# KiCad board uMule_board.kicad_pcb
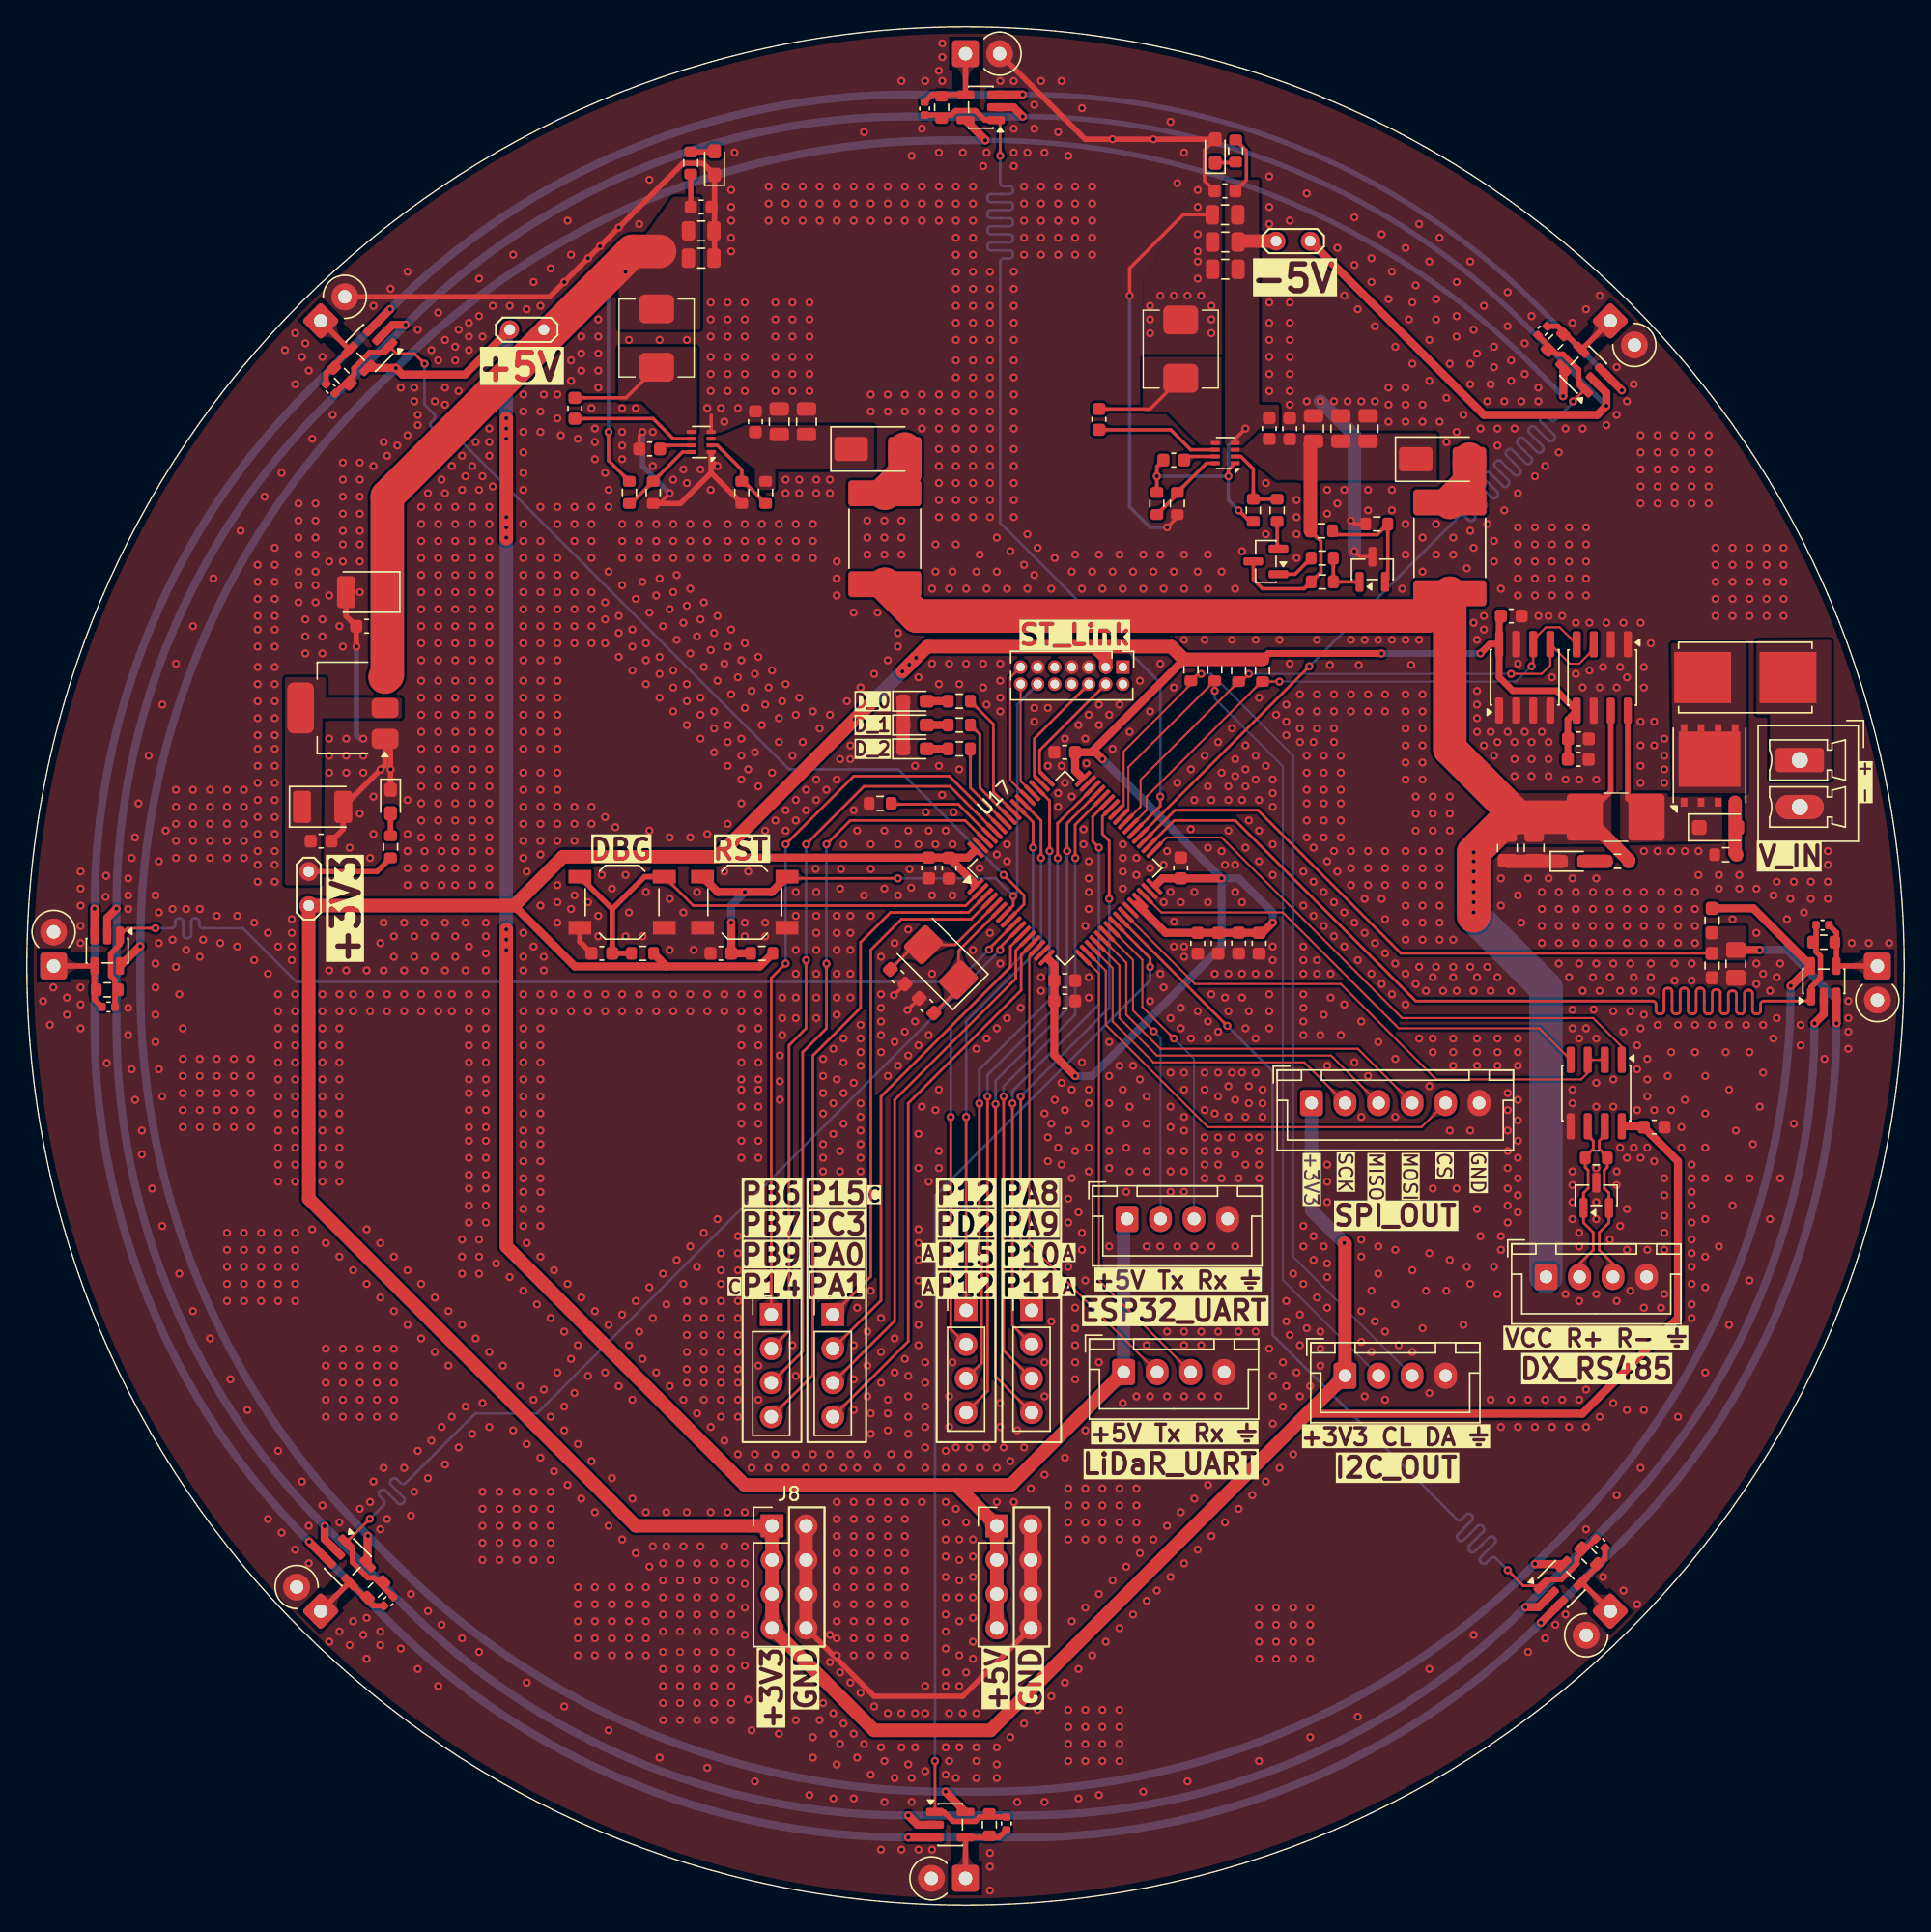
[diagram p0: board, top side]
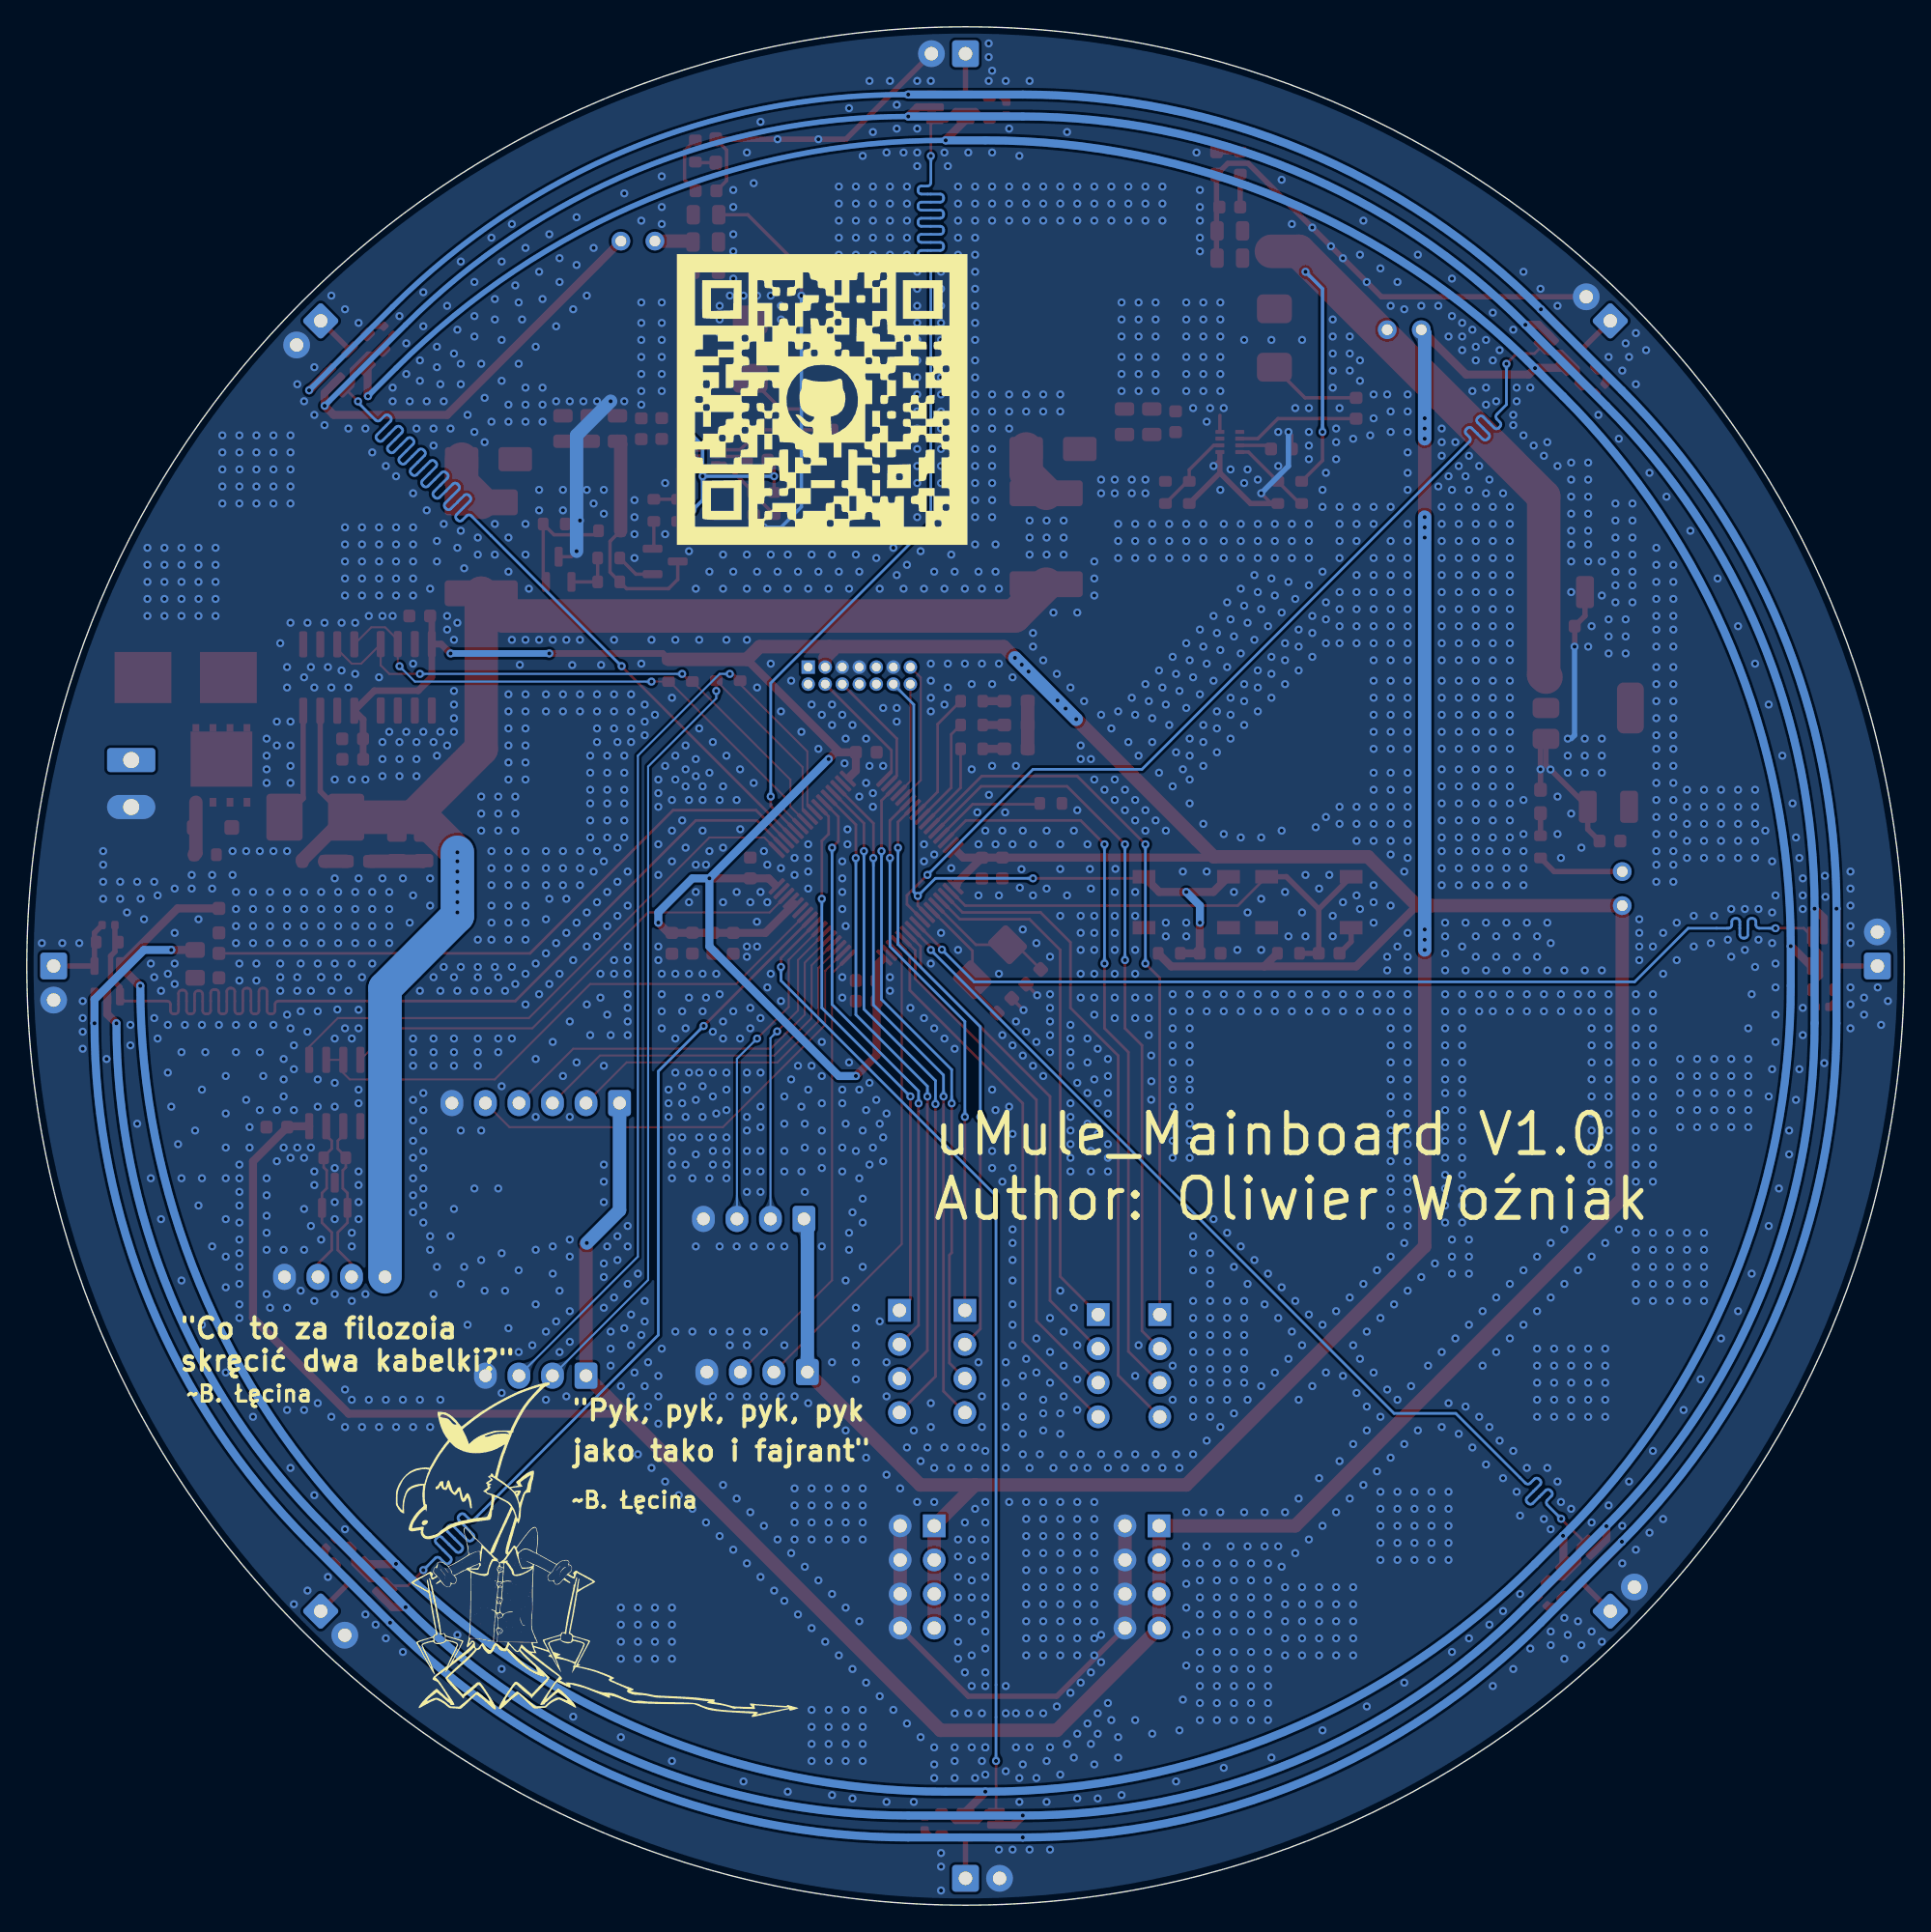
[diagram p1: board, bottom side, seen from below]

Outline 140 x 140 mm; copper layers: Top, Bottom. Coordinates in mm from the lower left corner of the outline.
Outline path: circle c70,70 r70
Stack: Top 0.035mm / dielectric 1.51mm FR4 er 4.5 / Bottom 0.035mm

## Placement (name value [footprint] x y rotation side)
C1  100n  [C_0603_1608Metric]  40.87 111.57 90 top
C2  10u  [C_0805_2012Metric]  56.11 110.57 90 top
C3  10u  [C_0805_2012Metric]  58.14 110.57 90 top
C4  100n  [C_0603_1608Metric]  54.33 110.57 90 top
C5  100n  [C_0603_1608Metric]  50.29 126.57 0 top
C6  22u  [C_0805_2012Metric]  50.29 124.79 0 top
C7  22u  [C_0805_2012Metric]  50.29 122.76 0 top
C8  10u  [C_0805_2012Metric]  112.4 78.8 270 top
C9  10u  [C_0805_2012Metric]  110.41 78.8 270 top
C10  22n  [C_0603_1608Metric]  46.44 108.54 180 top
C11  100u  [CP_EIA-3528-21_Kemet-B]  25.34 97.87 180 top
C12  10u  [C_0603_1608Metric]  25.34 95.33 180 top
C13  10u  [C_0603_1608Metric]  21.94 79.31 0 top
C14  100u  [CP_EIA-3528-21_Kemet-B]  22.06 81.87 0 top
C15  10u  [C_0603_1608Metric]  115.69 85.41 0 top
C16  100n  [C_0603_1608Metric]  115.71 86.93 0 top
C17  100n  [C_0603_1608Metric]  79.95 110.74 90 top
C18  10u  [C_0805_2012Metric]  95.96 110.06 90 top
C19  10u  [C_0805_2012Metric]  100.02 110.06 90 top
C20  10u  [C_0805_2012Metric]  97.99 110.06 90 top
C21  100n  [C_0603_1608Metric]  94.18 110.05 90 top
C22  100n  [C_0603_1608Metric]  92.65 110.06 90 top
C23  100n  [C_0603_1608Metric]  89.35 127.77 0 top
C24  22u  [C_0805_2012Metric]  89.37 121.93 0 top
C25  22u  [C_0805_2012Metric]  89.37 123.96 0 top
C26  22u  [C_0805_2012Metric]  89.35 126 0 top
C27  22n  [C_0603_1608Metric]  85.53 107.71 180 top
C28  4.7u  [C_0603_1608Metric]  67.25 77.31 270 top
C29  100n  [C_0603_1608Metric]  77.4 85.93 180 top
C30  100n  [C_0603_1608Metric]  86.05 77.31 90 top
C31  100n  [C_0603_1608Metric]  77.4 68.91 0 top
C32  100n  [C_0603_1608Metric]  77.4 67.39 0 top
C33  100n  [C_0603_1608Metric]  68.78 77.29 270 top
C34  10n  [C_0603_1608Metric]  87.32 71.69 270 top
C35  1u  [C_0603_1608Metric]  90.37 71.71 270 top
C36  33p  [C_0603_1608Metric]  64.94 69.2 315 top
C37  33p  [C_0603_1608Metric]  67.09 67.04 135 top
C38  100n  [C_0603_1608Metric]  110.7 96.09 0 top
C39  100n  [C_0603_1608Metric]  42.88 70.94 180 top
C40  100n  [C_0603_1608Metric]  51.76 70.94 180 top
C41  2.7p  [C_0402_1005Metric]  66.95 133.91 270 top
C42  2.7p  [C_0402_1005Metric]  113.03 117.35 225 top
C43  2.7p  [C_0402_1005Metric]  133.91 73.05 180 top
C44  2.7p  [C_0402_1005Metric]  117.35 26.97 135 top
C45  2.7p  [C_0402_1005Metric]  73.05 6.09 90 top
C46  2.7p  [C_0402_1005Metric]  26.97 22.65 45 top
C47  2.7p  [C_0402_1005Metric]  6.09 66.95 0 top
C48  2.7p  [C_0402_1005Metric]  22.65 113.03 315 top
C49  1u  [C_0805_2012Metric_Pad1.18x1.45mm_HandSolder]  127.45 70.16 270 top
C50  100n  [C_0603_1608Metric]  121.36 57.99 180 top
C51  100n  [C_0603_1608Metric]  88.84 71.69 270 top
C52  1u  [C_0603_1608Metric]  91.89 71.69 270 top
D1  SS34  [D_SMA]  63.48 108.54 0 top
D2  BZT52B12  [D_SOD-123F]  126.12 80.33 0 top
D3  SS34  [D_SMA]  105.58 107.77 0 top
D4  LED  [LED_0603_1608Metric_Pad1.05x0.95mm_HandSolder]  88.62 130.75 90 top
D5  LED  [LED_0603_1608Metric_Pad1.05x0.95mm_HandSolder]  115.27 77.8 0 top
D6  LED  [LED_0603_1608Metric_Pad1.05x0.95mm_HandSolder]  51.28 129.85 90 top
D7  LED  [LED_0603_1608Metric_Pad1.05x0.95mm_HandSolder]  27.12 82.26 270 top
D8  RED  [LED_0603_1608Metric_Pad1.05x0.95mm_HandSolder]  66.24 86.18 0 top
D9  BLUE  [LED_0603_1608Metric_Pad1.05x0.95mm_HandSolder]  66.24 87.96 0 top
D10  BLUE  [LED_0603_1608Metric_Pad1.05x0.95mm_HandSolder]  66.24 89.74 0 top
D11  SM712_SOT23  [SOT-23]  117.04 52.91 90 top
F1  10A  [Fuseholder_Littelfuse_Nano2_154x]  128.15 91.5 180 top
F2  2A  [Fuse_2920_7451Metric]  63.98 101.85 90 top
F3  2A  [Fuse_2920_7451Metric]  106.12 101.17 90 top
G***  LOGO  [QR_N]  80.68 112.22 180 bottom
G***#2  LOGO  [B_Łecina]  97.48 26.49 180 bottom
J1  12V IN  [PhoenixContact_MCV_1,5_2-G-3.5_1x02_P3.50mm_Vertical]  132.22 85.35 270 top
J2  Dynamixel  [JST_XH_B4B-XH-A_1x04_P2.50mm_Vertical]  113.29 46.83 0 top
J3  Li-Dar_UART  [JST_XH_B4B-XH-A_1x04_P2.50mm_Vertical]  81.79 39.74 0 top
J4  ESP32_UART  [JST_XH_B4B-XH-A_1x04_P2.50mm_Vertical]  82.05 51.15 0 top
J5  Conn_ST_STDC14  [PinHeader_2x07_P1.27mm_Vertical]  81.73 92.28 270 top
J6  I2C  [JST_XH_B4B-XH-A_1x04_P2.50mm_Vertical]  98.3 39.47 0 top
J7  SPI_IMU  [JST_XH_B6B-XH-A_1x06_P2.50mm_Vertical]  95.8 59.79 0 top
J8  Conn_02x04_Odd_Even  [PinHeader_2x04_P2.54mm_Vertical]  55.57 28.27 0 top
J9  Conn_02x04_Odd_Even  [PinHeader_2x04_P2.54mm_Vertical]  72.33 28.27 0 top
J10  Conn_01x04  [PinHeader_1x04_P2.54mm_Vertical]  55.52 44.02 0 top
J11  Conn_01x04  [PinHeader_1x04_P2.54mm_Vertical]  60.11 44.02 0 top
J12  Conn_01x04  [PinHeader_1x04_P2.54mm_Vertical]  70.05 44.34 0 top
J13  Conn_01x04  [PinHeader_1x04_P2.54mm_Vertical]  74.93 44.34 0 top
JP1  Jumper_2_Open  [TestPoint_2Pads_Pitch2.54mm_Drill0.8mm]  38.55 117.43 180 top
JP2  Jumper_2_Open  [TestPoint_2Pads_Pitch2.54mm_Drill0.8mm]  21.03 77.04 270 top
JP3  Jumper_2_Open  [TestPoint_2Pads_Pitch2.54mm_Drill0.8mm]  93.16 124.03 0 top
L1  3.3u  [Inductor_TKD_SPM5030VT]  46.97 116.81 90 top
L2  3.3u  [Inductor_TKD_SPM5030VT]  86.05 115.98 90 top
P1  BPV10NF  [D_T-1_P2.54mm_Vertical_KathodeUp]  70 138 0 top
P2  BPV10NF  [D_T-1_P2.54mm_Vertical_KathodeUp]  118.08 118.08 315 top
P3  BPV10NF  [D_T-1_P2.54mm_Vertical_KathodeUp]  138 70 270 top
P4  BPV10NF  [D_T-1_P2.54mm_Vertical_KathodeUp]  118.08 21.92 225 top
P5  BPV10NF  [D_T-1_P2.54mm_Vertical_KathodeUp]  70 2 180 top
P6  BPV10NF  [D_T-1_P2.54mm_Vertical_KathodeUp]  21.92 21.92 135 top
P7  BPV10NF  [D_T-1_P2.54mm_Vertical_KathodeUp]  2 70 90 top
P8  BPV10NF  [D_T-1_P2.54mm_Vertical_KathodeUp]  21.92 118.08 45 top
Q1  AON6407  [AO_DFN-8-1EP_5.55x5.2mm_P1.27mm_EP4.12x4.6mm]  125.49 84.95 90 top
Q2  S9015  [SOT-23]  92.4 100.15 180 top
R1  2m  [R_Shunt_2512]  118.49 81.09 180 top
R2  270k  [R_0603_1608Metric]  55.09 105.3 270 top
R3  33k  [R_0603_1608Metric]  44.93 105.3 270 top
R4  470k  [R_0603_1608Metric]  53.32 105.3 270 top
R5  6.2k  [R_0603_1608Metric]  46.71 105.3 270 top
R6  10k  [R_0603_1608Metric]  126.69 78.29 180 top
R7  51k  [R_0603_1608Metric]  96.6 98.63 180 top
R8  10k  [R_0603_1608Metric]  96.6 100.41 180 top
R9  62k  [R_0603_1608Metric]  93.24 103.96 90 top
R10  20k  [R_0603_1608Metric]  96.54 102.44 0 top
R11  12k  [R_0603_1608Metric]  91.46 103.96 270 top
R12  10k  [R_0603_1608Metric]  100.67 102.95 180 top
R13  4.7k  [R_0603_1608Metric]  90.15 130.75 270 top
R14  14k  [R_0603_1608Metric]  118.62 77.8 180 top
R15  4.7k  [R_0603_1608Metric]  49.51 129.85 90 top
R16  2.2k  [R_0603_1608Metric]  27.12 78.88 90 top
R17  33k  [R_0603_1608Metric]  85.8 104.47 90 top
R18  6.2k  [R_0603_1608Metric]  84.27 104.47 90 top
R19  10k  [R_0603_1608Metric]  63.63 82.12 180 top
R20  2.2k  [R_0603_1608Metric]  88.59 92.09 270 top
R21  2.2k  [R_0603_1608Metric]  86.81 92.09 270 top
R22  10k  [R_0603_1608Metric]  45.92 70.94 180 top
R23  10k  [R_0603_1608Metric]  54.81 70.94 180 top
R24  2.2k  [R_0603_1608Metric]  69.54 86.18 180 top
R25  1.5k  [R_0603_1608Metric]  69.54 87.96 180 top
R26  1.5k  [R_0603_1608Metric]  69.54 89.74 180 top
R27  39k  [R_0603_1608Metric]  68.22 134 270 top
R28  39k  [R_0603_1608Metric]  114 116.51 225 top
R29  39k  [R_0603_1608Metric]  134 71.78 180 top
R30  39k  [R_0603_1608Metric]  116.51 26 135 top
R31  39k  [R_0603_1608Metric]  71.78 6 90 top
R32  39k  [R_0603_1608Metric]  26 23.49 45 top
R33  39k  [R_0603_1608Metric]  6 68.22 0 top
R34  39k  [R_0603_1608Metric]  23.49 114 315 top
R35  13.7k  [R_0603_1608Metric_Pad0.98x0.95mm_HandSolder]  125.67 73.38 90 top
R36  280  [R_0603_1608Metric_Pad0.98x0.95mm_HandSolder]  125.67 70.03 90 top
R37  120R  [R_0603_1608Metric]  117.04 55.7 180 top
R38  2.2k  [R_0603_1608Metric]  90.37 92.03 270 top
R39  2.2k  [R_0603_1608Metric]  92.15 92.03 270 top
SW1  DBG_BUTT  [SW_SPST_TL3342]  44.39 74.75 0 top
SW2  RST  [SW_SPST_TL3342]  53.54 74.75 0 top
U1  TPS62933  [SOT-583-8]  50.29 109.06 180 top
U2  TLV761  [SOT-223-3_TabPin2]  23.57 89.23 180 top
U3  LM431BMC3  [SOT-23]  100.34 99.57 90 top
U4  INA219AxD  [SOIC-8_3.9x4.9mm_P1.27mm]  117.48 91.5 270 top
U5  TPS62933  [SOT-583-8]  89.37 108.23 180 top
U7  FM24C64B  [SOIC-8_3.9x4.9mm_P1.27mm]  111.7 91.52 90 top
U8  OPA397DBVR  [SOT-23-5]  71.14 134 180 top
U9  OPA397DBVR  [SOT-23-5]  116.06 114.45 135 top
U10  OPA397DBVR  [SOT-23-5]  134 68.86 90 top
U11  OPA397DBVR  [SOT-23-5]  114.45 23.94 45 top
U12  OPA397DBVR  [SOT-23-5]  68.86 6 0 top
U13  OPA397DBVR  [SOT-23-5]  23.94 25.55 315 top
U14  OPA397DBVR  [SOT-23-5]  6 71.14 270 top
U15  OPA397DBVR  [SOT-23-5]  25.55 116.06 225 top
U16  SP3485CN  [SOIC-8_3.9x4.9mm_P1.27mm]  117.04 60.53 270 top
U17  STM32G474RETx  [LQFP-64_10x10mm_P0.5mm]  77.41 77.29 45 top
Y1  8MHz  [Crystal_SMD_5032-2Pin_5.0x3.2mm]  68.17 70.28 135 top

## Library data of the parts
C1-C10 C15-C27 C36-C40 C50 = -: ki_fp_filters: C_*
C11 C14 = -: Description: Polarized capacitor, small symbol; ki_fp_filters: CP_*
C12 C13 = -: Description: Unpolarized capacitor, small symbol; ki_fp_filters: C_*
C28-C35 C41-C49 C51 C52 = -: Description: Unpolarized capacitor; ki_fp_filters: C_*
D1 = -: Datasheet: https://www.vishay.com/docs/88751/ss32.pdf; Description: 40V 3A Schottky Diode, SMA; LCSC: C8678; ki_fp_filters: D*SMA*
D2 = -: Datasheet: https://diotec.com/tl_files/diotec/files/pdf/datasheets/bzt52b2v4.pdf; Description: 500mW Zener Diode, SOD-123F; ki_fp_filters: D?SOD?123F*
D3 = -: Datasheet: https://www.vishay.com/docs/88751/ss32.pdf; Description: 40V 3A Schottky Diode, SMA; ki_fp_filters: D*SMA*
D4-D7 D9 = -: Description: Light emitting diode; Sim.Pins: 1=K 2=A; ki_fp_filters: LED* LED_SMD:* LED_THT:*
D8 = -: Description: Light emitting diode; Sim.Pins: 1=K 2=A; LCSC: C2286; ki_fp_filters: LED* LED_SMD:* LED_THT:*
D10 = -: Description: Light emitting diode; Sim.Pins: 1=K 2=A; LCSC: C2290; ki_fp_filters: LED* LED_SMD:* LED_THT:*
D11 = -: Datasheet: https://www.littelfuse.com/~/media/electronics/datasheets/tvs_diode_arrays/littelfuse_tvs_diode_array_sm712_datasheet.pdf.pdf; ki_fp_filters: SOT?23*
F1 = -: ki_fp_filters: *Fuse*
F2 F3 = -: ki_fp_filters: *polyfuse* *PTC*
J1 J6 J7 = -: ki_fp_filters: Connector*:*_1x??_*
J2-J4 J10-J13 = -: Description: Generic connector, single row, 01x04, script generated (kicad-library-utils/schlib/autogen/connector/); ki_fp_filters: Connector*:*_1x??_*
J5 = -: Datasheet: https://www.st.com/content/ccc/resource/technical/document/user_manual/group1/99/49/91/b6/b2/3a/46/e5/DM00526767/files/DM00526767.pdf/jcr:content/translations/en.DM00526767.pdf; Description: ST Debug Connector, standard ARM Cortex-M SWD and JTAG interface plus UART; ki_fp_filters: PinHeader?2x07?P1.27mm*
J8 J9 = -: Description: Generic connector, double row, 02x04, odd/even pin numbering scheme (row 1 odd numbers, row 2 even numbers), script generated (kicad-library-utils/schlib/autogen/connector/); ki_fp_filters: Connector*:*_2x??_*
JP1-JP3 = -: Description: Jumper, 2-pole, open; ki_fp_filters: Jumper* TestPoint*2Pads* TestPoint*Bridge*
L1 L2 = -: Name: SPM5030VT-3R3M-D; jlc: C1512760; ki_fp_filters: Choke_* *Coil* Inductor_* L_*
P1-P8 = -: Datasheet: https://www.vishay.com/docs/81503/bpv10nf.pdf; Description: BPV10NF is a PIN photodiode with high speed and high sensitivity in black, T-1¾ plastic package with daylight blocking filter. Filter bandwidth is matched with 850 nm to 950 nm IR emitters.
Q1 = -: Datasheet: http://www.aosmd.com/res/data_sheets/AON6411.pdf; ki_fp_filters: AO*DFN*8*1EP*5.55x5.2mm*P1.27mm*EP4.12x4.6mm*
Q2 = -: Datasheet: https://jlcpcb.com/api/file/downloadByFileSystemAccessId/8579710539888578560
R1-R18 R20-R23 R37-R39 = -: ki_fp_filters: R_*
R19 R24-R36 = -: Description: Resistor; ki_fp_filters: R_*
U1 = -: Datasheet: https://www.ti.com/lit/ds/symlink/tps62933.pdf; Description: 3.8-30V, 3A Synchronous Buck Converters with pulse frequency modulation (PFM), SOT583-8; ki_fp_filters: SOT?583*
U2 = -: Datasheet: https://www.ti.com/lit/ds/symlink/tlv761.pdf?ts=1765641479995&ref_url=https%253A%252F%252Fwww.mouser.com%252F; Description: 800mA Low-Dropout Linear Regulator, 3.3V fixed output, SOT-223; ki_fp_filters: SOT?223*
U3 = -: Datasheet: https://www.ti.com/lit/ds/symlink/lm431.pdf?ts=1766297006406
U4 = -: Datasheet: http://www.ti.com/lit/ds/symlink/ina219.pdf; ki_fp_filters: SOIC*3.9x4.9mm*P1.27mm*
U5 = -: Datasheet: https://www.ti.com/lit/ds/symlink/tps62933.pdf; Description: 3.8-30V, 3A Synchronous Buck Converters with pulse frequency modulation (PFM), SOT583-8; LCSC: C3200405; ki_fp_filters: SOT?583*
U7 = -: Datasheet: http://www.cypress.com/file/41651/download; Description: 64Kb serial FRAM nonvolatile Memory, SOIC-8; LCSC: C914923; ki_fp_filters: SOIC*3.9x4.9mm*P1.27mm*
U8 = -: Datasheet: https://www.ti.com/lit/ds/symlink/opa397.pdf?ts=1764800251304; Description: OPAx397 Precision, Low-Offset-Voltage, Low-Noise, Low-Input-Bias-Current, Rail-to-Rail I/O, e-trim™ Operational Amplifiers; LCSC: C5214808
U9-U15 = -: Datasheet: https://www.ti.com/lit/ds/symlink/opa397.pdf?ts=1764800251304; Description: OPAx397 Precision, Low-Offset-Voltage, Low-Noise, Low-Input-Bias-Current, Rail-to-Rail I/O, e-trim™ Operational Amplifiers
U16 = -: Datasheet: http://www.icbase.com/pdf/SPX/SPX00480106.pdf; Description: 3.3V Low Power Half-Duplex RS-485 Transceiver 10Mbps, SOIC-8; LCSC: C2692302; ki_fp_filters: SOIC*3.9x4.9mm*P1.27mm*
U17 = -: Datasheet: https://www.st.com/resource/en/datasheet/stm32g474re.pdf; Description: STMicroelectronics Arm Cortex-M4 MCU, 512KB flash, 128KB RAM, 170 MHz, 1.71-3.6V, 52 GPIO, LQFP64; LCSC: C521608; ki_fp_filters: LQFP*10x10mm*P0.5mm*
Y1 = -: ki_fp_filters: Crystal*
